# Altium PCB TwoFoot_PCB_m4T1Top2.PcbDoc (part 9 of 9)
Units mil, origin at the board's own origin, x right, y up, seen from the top; angles counter-clockwise.
Board outline 2525.58 x 2682.53 mil, 2 copper layers (Top Layer, Bottom Layer); 83 components, 113 nets, 349 pads, 87 vias.
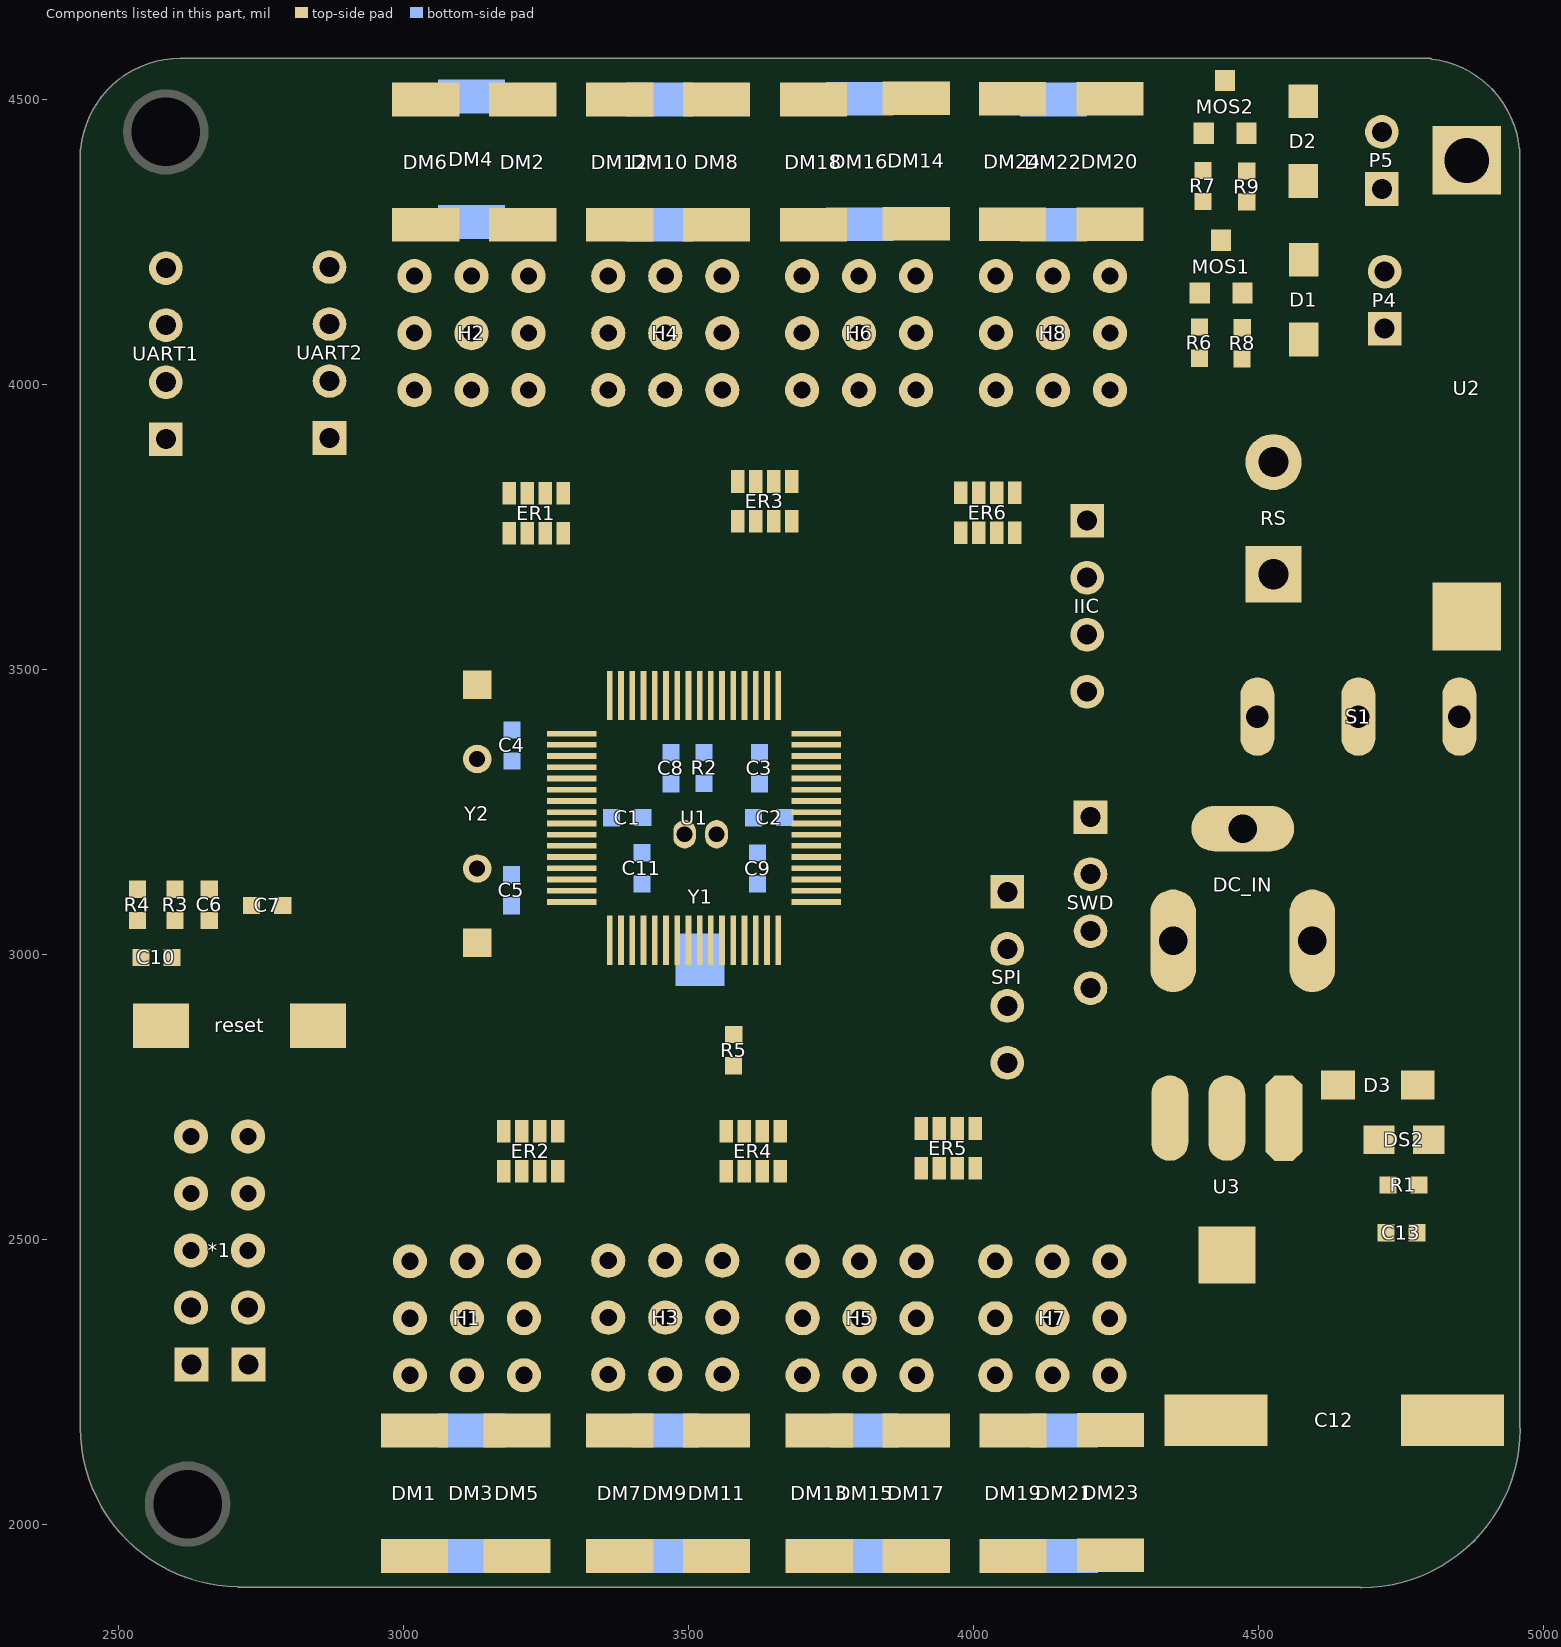
[diagram p9: the components of this part, seen from the top]

## Via types
v1: diameter 24, hole 12, Top Layer to Bottom Layer, 65 vias
v2: diameter 30, hole 20, Top Layer to Bottom Layer, 8 vias
v3: diameter 20, hole 15, Top Layer to Bottom Layer, 8 vias
v4: diameter 32, hole 15, Top Layer to Bottom Layer, 3 vias
v5: diameter 60, hole 45, Top Layer to Bottom Layer, 1 vias
v6: diameter 50, hole 35, Top Layer to Bottom Layer, 1 vias
v7: diameter 30, hole 15, Top Layer to Bottom Layer, 1 vias

## Nets (pads, with @x,y where several pads share a name; then routed paths per layer and width w, separated by ;. In a path a pad name is that pad's centre, name@x,y a point inside that pad or via, vN(x,y) a via of type N, cw(c..) or ccw(c..) an arc to the next point about the centre after c; other vN are vias at no path point) (continued)
copper on no net: (continued)
  Bottom Layer w1: 2932.6,3436.4 2958.6,3436.4 ; 2932.6,3437.4 2959.6,3437.4 ; 2932.6,3438.4 3012.6,3438.4 ; 2932.6,3439.4 3013.6,3439.4 ; 2932.6,3440.4 3013.6,3440.4 ; 2932.6,3441.4 3013.6,3441.4 ; 2932.6,3442.4 3013.6,3442.4 ; 2932.6,3443.4 3013.6,3443.4 ; 2932.6,3444.4 3013.6,3444.4 ; 2932.6,3445.4 3013.6,3445.4 ; 2932.6,3446.4 3013.6,3446.4 ; 2932.6,3447.4 3013.6,3447.4 ; 2932.6,3448.4 3013.6,3448.4 ; 2932.6,3449.4 3013.6,3449.4 ; 2932.6,3450.4 3013.6,3450.4 ; 2932.6,3451.4 3013.6,3451.4 ; 2932.6,3452.4 3013.6,3452.4 ; 2932.6,3453.4 3013.6,3453.4 ; 2932.6,3454.4 3013.6,3454.4 ; 2932.6,3455.4 3013.6,3455.4 ; 2932.6,3456.4 3013.6,3456.4 ; 2932.6,3457.4 3013.6,3457.4 ; 2932.6,3458.4 3013.6,3458.4 ; 2932.6,3459.4 3013.6,3459.4 ; 2932.6,3460.4 3013.6,3460.4 ; 2932.6,3461.4 3013.6,3461.4 ; 2932.6,3462.4 3013.6,3462.4 ; 2932.6,3463.4 3013.6,3463.4 ; 2932.6,3464.4 3013.6,3464.4 ; 2932.6,3465.4 3013.6,3465.4 ; 2932.6,3466.4 3013.6,3466.4 ; 2932.6,3467.4 3013.6,3467.4 ; 2932.6,3468.4 3013.6,3468.4 ; 2932.6,3469.4 3013.6,3469.4 ; 2932.6,3470.4 3013.6,3470.4 ; 2932.6,3471.4 3013.6,3471.4 ; 2932.6,3472.4 3013.6,3472.4 ; 2932.6,3473.4 3013.6,3473.4 ; 2932.6,3474.4 3013.6,3474.4 ; 2932.6,3475.4 3013.6,3475.4 ; 2932.6,3476.4 3013.6,3476.4 ; 2932.6,3477.4 3013.6,3477.4 ; 2932.6,3478.4 3013.6,3478.4 ; 2932.6,3479.4 3013.6,3479.4 ; 2932.6,3480.4 3013.6,3480.4 ; 2932.6,3481.4 3013.6,3481.4 ; 2932.6,3482.4 3013.6,3482.4 ; 2932.6,3483.4 3013.6,3483.4 ; 2932.6,3484.4 2998.6,3484.4 ; 2932.6,3485.4 2997.6,3485.4 ; 2932.6,3486.4 2997.6,3486.4 ; 2932.6,3487.4 2996.6,3487.4 ; 2932.6,3488.4 2995.6,3488.4 ; 2932.6,3489.4 2993.6,3489.4 ; 2932.6,3490.4 2992.6,3490.4 ; 2932.6,3491.4 2991.6,3491.4 ; 2932.6,3492.4 2990.6,3492.4 ; 2932.6,3493.4 2990.6,3493.4 ; 2932.6,3494.4 2989.6,3494.4 ; 2932.6,3495.4 2987.6,3495.4 ; 2932.6,3496.4 2986.6,3496.4 ; 2932.6,3497.4 2986.6,3497.4 ; 2932.6,3498.4 2985.6,3498.4 ; 2932.6,3499.4 2984.6,3499.4 ; 2932.6,3500.4 2984.6,3500.4 ; 2932.6,3501.4 2983.6,3501.4 ; 2932.6,3502.4 2982.6,3502.4 ; 2932.6,3503.4 2980.6,3503.4 ; 2932.6,3504.4 2979.6,3504.4 ; 2932.6,3505.4 2978.6,3505.4 ; 2932.6,3506.4 2978.6,3506.4 ; 2932.6,3507.4 2945.6,3507.4 ; 2932.6,3508.4 2941.6,3508.4 ; 2932.6,3509.4 2939.6,3509.4 ; 2932.6,3510.4 2938.6,3510.4 ; 2932.6,3511.4 2937.6,3511.4 ; 2932.6,3512.4 2936.6,3512.4 ; 2932.6,3513.4 2936.6,3513.4 ; 2932.6,3514.4 2936.6,3514.4 ; 2932.6,3515.4 2934.6,3515.4 ; 2932.6,3516.4 2934.6,3516.4 ; 2932.6,3517.4 2934.6,3517.4 ; 2932.6,3518.4 2933.6,3518.4 ; 2932.6,3519.4 2933.6,3519.4 ; 2932.6,3520.4 2933.6,3520.4 ; 2932.6,3521.4 2934.6,3521.4 ; 2932.6,3522.4 2934.6,3522.4 ; 2932.6,3523.4 2934.6,3523.4 ; 2932.6,3524.4 2934.6,3524.4 ; 2932.6,3525.4 2934.6,3525.4 ; 2932.6,3526.4 2936.6,3526.4 ; 2932.6,3527.4 2936.6,3527.4 ; 2932.6,3528.4 2937.6,3528.4 ; 2932.6,3529.4 2937.6,3529.4 ; 2932.6,3530.4 2938.6,3530.4 ; 2932.6,3531.4 2939.6,3531.4 ; 2932.6,3532.4 2941.6,3532.4 ; 2932.6,3533.4 2946.6,3533.4 ; 2932.6,3534.4 3013.6,3534.4 ; 2932.6,3535.4 3013.6,3535.4 ; 2932.6,3536.4 3013.6,3536.4 ; 2932.6,3537.4 3013.6,3537.4 ; 2932.6,3538.4 3013.6,3538.4 ; 2932.6,3539.4 3013.6,3539.4 ; 2932.6,3540.4 3013.6,3540.4 ; 2932.6,3541.4 3013.6,3541.4 ; 2932.6,3542.4 3013.6,3542.4 ; 2932.6,3543.4 3013.6,3543.4 ; 2932.6,3544.4 3013.6,3544.4 ; 2932.6,3545.4 3013.6,3545.4 ; 2932.6,3546.4 3013.6,3546.4 ; 2932.6,3547.4 3013.6,3547.4 ; 2932.6,3548.4 3013.6,3548.4 ; 2932.6,3549.4 3013.6,3549.4 ; 2932.6,3550.4 3013.6,3550.4 ; 2932.6,3551.4 3013.6,3551.4 ; 2932.6,3552.4 3013.6,3552.4 ; 2932.6,3553.4 3013.6,3553.4 ; 2932.6,3554.4 3013.6,3554.4 ; 2932.6,3555.4 3013.6,3555.4 ; 2932.6,3556.4 3013.6,3556.4 ; 2933.6,3403.4 3013.6,3403.4 ; 2933.6,3412.4 2936.6,3412.4 ; 2933.6,3413.4 2937.6,3413.4 ; 2933.6,3414.4 2938.6,3414.4 ; 2933.6,3415.4 2939.6,3415.4 ; 2933.6,3416.4 2939.6,3416.4 ; 2933.6,3417.4 2940.6,3417.4 ; 2933.6,3418.4 2941.6,3418.4 ; 2933.6,3419.4 2943.6,3419.4 ; 2933.6,3420.4 2944.6,3420.4 ; 2935.6,3404.4 3013.6,3404.4 ; 2936.6,3405.4 3013.6,3405.4 ; 2936.6,3613.4 3013.6,3613.4 ; 2937.6,3406.4 3013.6,3406.4 ; 2937.6,3407.4 3013.6,3407.4 ; 2937.6,3612.4 3013.6,3612.4 ; 2939.6,3408.4 3013.6,3408.4 ; 2939.6,3611.4 3013.6,3611.4 ; 2940.6,3409.4 3013.6,3409.4 ; 2940.6,3610.4 3013.6,3610.4 ; 2941.6,3410.4 3013.6,3410.4 ; 2941.6,3609.4 3013.6,3609.4 ; 2942.6,3411.4 3013.6,3411.4 ; 2942.6,3607.4 3013.6,3607.4 ; 2942.6,3608.4 3013.6,3608.4 ; 2943.6,3412.4 3013.6,3412.4 ; 2943.6,3413.4 3013.6,3413.4 ; 2943.6,3414.4 3013.6,3414.4 ; 2943.6,3519.4 2950.6,3519.4 ; 2943.6,3520.4 2950.6,3520.4 ; 2943.6,3521.4 2950.6,3521.4 ; 2943.6,3606.4 3013.6,3606.4 ; 2944.6,3518.4 2950.6,3518.4 ; 2944.6,3522.4 2950.6,3522.4 ; 2944.6,3605.4 3013.6,3605.4 ; 2946.6,3415.4 3013.6,3415.4 ; 2946.6,3517.4 2947.6,3517.4 ; 2946.6,3604.4 3013.6,3604.4 ; 2947.6,3416.4 3013.6,3416.4 ; 2947.6,3417.4 3013.6,3417.4 ; 2947.6,3507.4 2977.6,3507.4 ; 2947.6,3603.4 3013.6,3603.4 ; 2948.6,3533.4 3013.6,3533.4 ; 2948.6,3601.4 3013.6,3601.4 ; 2948.6,3602.4 3013.6,3602.4 ; 2949.6,3418.4 3013.6,3418.4 ; 2949.6,3419.4 3013.6,3419.4 ; 2949.6,3420.4 3013.6,3420.4 ; 2949.6,3600.4 3013.6,3600.4 ; 2950.6,3421.4 3013.6,3421.4 ; 2950.6,3599.4 3013.6,3599.4 ; 2952.6,3422.4 3013.6,3422.4 ; 2952.6,3532.4 3013.6,3532.4 ; 2952.6,3598.4 3013.6,3598.4 ; 2953.6,3423.4 3013.6,3423.4 ; 2953.6,3508.4 2976.6,3508.4 ; 2953.6,3597.4 3013.6,3597.4 ; 2954.6,3509.4 2974.6,3509.4 ; 2954.6,3531.4 3013.6,3531.4 ; 2954.6,3596.4 3013.6,3596.4 ; 2955.6,3424.4 3013.6,3424.4 ; 2955.6,3425.4 3013.6,3425.4 ; 2955.6,3530.4 3013.6,3530.4 ; 2955.6,3594.4 3013.6,3594.4 ; 2955.6,3595.4 3013.6,3595.4 ; 2956.6,3426.4 3013.6,3426.4 ; 2956.6,3427.4 3013.6,3427.4 ; 2956.6,3510.4 2973.6,3510.4 ; 2956.6,3511.4 2972.6,3511.4 ; 2956.6,3528.4 3013.6,3528.4 ; 2956.6,3529.4 3013.6,3529.4 ; 2956.6,3593.4 3013.6,3593.4 ; 2957.6,3428.4 3013.6,3428.4 ; 2957.6,3512.4 2971.6,3512.4 ; 2957.6,3513.4 2971.6,3513.4 ; 2957.6,3527.4 3013.6,3527.4 ; 2957.6,3592.4 3013.6,3592.4 ; 2959.6,3429.4 3013.6,3429.4 ; 2959.6,3514.4 2970.6,3514.4 ; 2959.6,3515.4 2969.6,3515.4 ; 2959.6,3525.4 3013.6,3525.4 ; 2959.6,3526.4 3013.6,3526.4 ; 2959.6,3591.4 3013.6,3591.4 ; 2960.6,3430.4 3012.6,3430.4 ; 2960.6,3516.4 2967.6,3516.4 ; 2960.6,3524.4 3013.6,3524.4 ; 2960.6,3590.4 3013.6,3590.4 ; 2961.6,3589.4 3013.6,3589.4 ; 2962.6,3587.4 3013.6,3587.4 ; 2962.6,3588.4 3013.6,3588.4 ; 2963.6,3586.4 3013.6,3586.4 ; 2965.6,3585.4 3013.6,3585.4 ; 2966.6,3584.4 3013.6,3584.4 ; 2967.6,3523.4 3013.6,3523.4 ; 2967.6,3583.4 3013.6,3583.4 ; 2968.6,3521.4 3013.6,3521.4 ; 2968.6,3522.4 3013.6,3522.4 ; 2968.6,3581.4 3013.6,3581.4 ; 2968.6,3582.4 3013.6,3582.4 ; 2969.6,3520.4 3013.6,3520.4 ; 2969.6,3580.4 3013.6,3580.4 ; 2970.6,3519.4 3013.6,3519.4 ; 2970.6,3578.4 3013.6,3578.4 ; 2970.6,3579.4 3013.6,3579.4 ; 2972.6,3518.4 3013.6,3518.4 ; 2973.6,3517.4 3013.6,3517.4 ; 2973.6,3577.4 3013.6,3577.4 ; 2974.6,3515.4 3013.6,3515.4 ; 2974.6,3516.4 3013.6,3516.4 ; 2974.6,3574.4 3013.6,3574.4 ; 2974.6,3575.4 3013.6,3575.4 ; 2974.6,3576.4 3013.6,3576.4 ; 2975.6,3514.4 3013.6,3514.4 ; 2975.6,3573.4 3013.6,3573.4 ; 2976.6,3513.4 3013.6,3513.4 ; 2978.6,3512.4 3013.6,3512.4 ; 2979.6,3511.4 3013.6,3511.4 ; 2980.6,3510.4 3013.6,3510.4 ; 2981.6,3508.4 3013.6,3508.4 ; 2981.6,3509.4 3013.6,3509.4 ; 2982.6,3507.4 3013.6,3507.4 ; 2983.6,3506.4 3013.6,3506.4 ; 2985.6,3505.4 3013.6,3505.4 ; 2986.6,3504.4 3013.6,3504.4 ; 2987.6,3503.4 3013.6,3503.4 ; 2988.6,3501.4 3013.6,3501.4 ; 2988.6,3502.4 3013.6,3502.4 ; 2989.6,3500.4 3013.6,3500.4 ; 2990.6,3499.4 3013.6,3499.4 ; 2992.6,3498.4 3013.6,3498.4 ; 2993.6,3497.4 3013.6,3497.4 ; 2994.6,3495.4 3013.6,3495.4 ; 2994.6,3496.4 3013.6,3496.4 ; 2995.6,3493.4 3013.6,3493.4 ; 2995.6,3494.4 3013.6,3494.4 ; 2998.6,3492.4 3013.6,3492.4 ; 2999.6,3491.4 3013.6,3491.4 ; 3005.6,3325.4 3006.6,3325.4 ; 3009.6,3325.4 3011.6,3325.4
  Bottom Layer w1.2: 2702.6,4430.6 2731.4,4430.6 2702.6,4430.6 ; 2702.6,4431.8 2732.6,4431.8 2702.6,4431.8 ; 2702.6,4433 2735,4433 2702.6,4433 ; 2702.6,4434.2 2738.6,4434.2 2702.6,4434.2 ; 2703.8,4427 2726.6,4427 2703.8,4427 ; 2703.8,4428.2 2729,4428.2 2703.8,4428.2 ; 2703.8,4429.4 2730.2,4429.4 2703.8,4429.4 ; 2703.8,4435.4 2744.6,4435.4 2703.8,4435.4 ; 2703.8,4436.6 2747,4436.6 2703.8,4436.6 ; 2705,4424.6 2725.4,4424.6 2705,4424.6 ; 2705,4425.8 2725.4,4425.8 2705,4425.8 ; 2705,4437.8 2749.4,4437.8 2705,4437.8 ; 2705,4439 2751.8,4439 2705,4439 ; 2706.2,4421 2725.4,4421 2706.2,4421 ; 2706.2,4422.2 2725.4,4422.2 2706.2,4422.2 ; 2706.2,4423.4 2725.4,4423.4 2706.2,4423.4 ; 2706.2,4440.2 2754.2,4440.2 2706.2,4440.2 ; 2707.4,4417.4 2724.2,4417.4 2707.4,4417.4 ; 2707.4,4418.6 2724.2,4418.6 2707.4,4418.6 ; 2707.4,4419.8 2725.4,4419.8 2707.4,4419.8 ; 2707.4,4441.4 2772.2,4441.4 2707.4,4441.4 ; 2707.4,4442.6 2773.4,4442.6 2707.4,4442.6 ; 2708.6,4392.2 2733.8,4392.2 2708.6,4392.2 ; 2708.6,4393.4 2735,4393.4 2708.6,4393.4 ; 2708.6,4394.6 2726.6,4394.6 2708.6,4394.6 ; 2708.6,4395.8 2725.4,4395.8 2708.6,4395.8 ; 2708.6,4397 2725.4,4397 2708.6,4397 ; 2708.6,4398.2 2725.4,4398.2 2708.6,4398.2 ; 2708.6,4399.4 2725.4,4399.4 2708.6,4399.4 ; 2708.6,4400.6 2724.2,4400.6 2708.6,4400.6 ; 2708.6,4401.8 2724.2,4401.8 2708.6,4401.8 ; 2708.6,4403 2724.2,4403 2708.6,4403 ; 2708.6,4404.2 2724.2,4404.2 2708.6,4404.2 ; 2708.6,4405.4 2724.2,4405.4 2708.6,4405.4 ; 2708.6,4406.6 2724.2,4406.6 2708.6,4406.6 ; 2708.6,4407.8 2724.2,4407.8 2708.6,4407.8 ; 2708.6,4409 2724.2,4409 2708.6,4409 ; 2708.6,4410.2 2724.2,4410.2 2708.6,4410.2 ; 2708.6,4411.4 2724.2,4411.4 2708.6,4411.4 ; 2708.6,4412.6 2724.2,4412.6 2708.6,4412.6 ; 2708.6,4413.8 2724.2,4413.8 2708.6,4413.8 ; 2708.6,4415 2724.2,4415 2708.6,4415 ; 2708.6,4416.2 2724.2,4416.2 2708.6,4416.2 ; 2708.6,4443.8 2798.6,4443.8 2708.6,4443.8 ; 2708.6,4445 2798.6,4445 2708.6,4445 ; 2708.6,4446.2 2798.6,4446.2 2708.6,4446.2 ; 2708.6,4447.4 2799.8,4447.4 2708.6,4447.4 ; 2708.6,4448.6 2799.8,4448.6 2708.6,4448.6 ; 2709.8,4381.4 2726.6,4381.4 2709.8,4381.4 ; 2709.8,4382.6 2727.8,4382.6 2709.8,4382.6 ; 2709.8,4383.8 2729,4383.8 2709.8,4383.8 ; 2709.8,4385 2729,4385 2709.8,4385 ; 2709.8,4386.2 2730.2,4386.2 2709.8,4386.2 ; 2709.8,4387.4 2731.4,4387.4 2709.8,4387.4 ; 2709.8,4388.6 2732.6,4388.6 2709.8,4388.6 ; 2709.8,4389.8 2732.6,4389.8 2709.8,4389.8 ; 2709.8,4391 2733.8,4391 2709.8,4391 ; 2709.8,4449.8 2727.8,4449.8 2709.8,4449.8 ; 2709.8,4451 2726.6,4451 2709.8,4451 ; 2709.8,4452.2 2726.6,4452.2 2709.8,4452.2 ; 2709.8,4453.4 2726.6,4453.4 2709.8,4453.4 ; 2711,4376.6 2723,4376.6 2711,4376.6 ; 2711,4377.8 2724.2,4377.8 2711,4377.8 ; 2711,4379 2725.4,4379 2711,4379 ; 2711,4380.2 2726.6,4380.2 2711,4380.2 ; 2711,4454.6 2726.6,4454.6 2711,4454.6 ; 2711,4455.8 2726.6,4455.8 2711,4455.8 ; 2711,4457 2726.6,4457 2711,4457 ; 2711,4458.2 2727.8,4458.2 2711,4458.2 ; 2711,4459.4 2727.8,4459.4 2711,4459.4 ; 2711,4460.6 2727.8,4460.6 2711,4460.6 ; 2712.2,4374.2 2719.4,4374.2 2712.2,4374.2 ; 2712.2,4375.4 2721.8,4375.4 2712.2,4375.4 ; 2712.2,4461.8 2727.8,4461.8 2712.2,4461.8 ; 2712.2,4463 2729,4463 2712.2,4463 ; 2712.2,4464.2 2729,4464.2 2712.2,4464.2 ; 2712.2,4465.4 2729,4465.4 2712.2,4465.4 ; 2712.2,4466.6 2729,4466.6 2712.2,4466.6 ; 2712.2,4467.8 2729,4467.8 2712.2,4467.8 ; 2712.2,4469 2730.2,4469 2712.2,4469 ; 2712.2,4470.2 2730.2,4470.2 2712.2,4470.2 ; 2712.2,4471.4 2730.2,4471.4 2712.2,4471.4 ; 2712.2,4472.6 2730.2,4472.6 2712.2,4472.6 ; 2712.2,4473.8 2730.2,4473.8 2712.2,4473.8 ; 2712.2,4475 2730.2,4475 2712.2,4475 ; 2712.2,4476.2 2731.4,4476.2 2712.2,4476.2 ; 2713.4,4477.4 2731.4,4477.4 2713.4,4477.4 ; 2713.4,4478.6 2731.4,4478.6 2713.4,4478.6 ; 2713.4,4479.8 2731.4,4479.8 2713.4,4479.8 ; 2713.4,4481 2731.4,4481 2713.4,4481 ; 2713.4,4482.2 2731.4,4482.2 2713.4,4482.2 ; 2713.4,4483.4 2731.4,4483.4 2713.4,4483.4 ; 2713.4,4484.6 2732.6,4484.6 2713.4,4484.6 ; 2714.6,4485.8 2732.6,4485.8 2714.6,4485.8 ; 2714.6,4487 2732.6,4487 2714.6,4487 ; 2714.6,4488.2 2732.6,4488.2 2714.6,4488.2 ; 2714.6,4489.4 2732.6,4489.4 2714.6,4489.4 ; 2714.6,4490.6 2732.6,4490.6 2714.6,4490.6 ; 2715.8,4491.8 2732.6,4491.8 2715.8,4491.8 ; 2715.8,4493 2733.8,4493 2715.8,4493 ; 2715.8,4494.2 2733.8,4494.2 2715.8,4494.2 ; 2715.8,4495.4 2733.8,4495.4 2715.8,4495.4 ; 2715.8,4500.2 2733.8,4500.2 2715.8,4500.2 ; 2715.8,4501.4 2735,4501.4 2715.8,4501.4 ; 2715.8,4502.6 2735,4502.6 2715.8,4502.6 ; 2715.8,4503.8 2735,4503.8 2715.8,4503.8 ; 2715.8,4505 2735,4505 2715.8,4505 ; 2717,4496.6 2733.8,4496.6 2717,4496.6 ; 2717,4497.8 2733.8,4497.8 2717,4497.8 ; 2717,4499 2733.8,4499 2717,4499 ; 2717,4506.2 2736.2,4506.2 2717,4506.2 ; 2717,4507.4 2736.2,4507.4 2717,4507.4 ; 2717,4508.6 2736.2,4508.6 2717,4508.6 ; 2717,4509.8 2736.2,4509.8 2717,4509.8 ; 2717,4511 2737.4,4511 2717,4511 ; 2717,4512.2 2737.4,4512.2 2717,4512.2 ; 2717,4513.4 2737.4,4513.4 2717,4513.4 ; 2717,4514.6 2737.4,4514.6 2717,4514.6 ; 2717,4515.8 2737.4,4515.8 2717,4515.8 ; 2718.2,4517 2737.4,4517 2718.2,4517 ; 2719.4,4518.2 2737.4,4518.2 2719.4,4518.2 ; 2720.6,4519.4 2737.4,4519.4 2720.6,4519.4 ; 2721.8,4520.6 2737.4,4520.6 2721.8,4520.6 ; 2724.2,4521.8 2736.2,4521.8 2724.2,4521.8 ; 2726.6,4523 2735,4523 2726.6,4523 ; 2730.2,4394.6 2735,4394.6 2730.2,4394.6 ; 2731.4,4395.8 2736.2,4395.8 2731.4,4395.8 ; 2732.6,4397 2736.2,4397 2732.6,4397 ; 2733.8,4398.2 2736.2,4398.2 2733.8,4398.2 ; 2737.4,4449.8 2799.8,4449.8 2737.4,4449.8 ; 2738.6,4451 2799.8,4451 2738.6,4451 ; 2751.8,4452.2 2766.2,4452.2 2751.8,4452.2 ; 2760.2,4440.2 2769.8,4440.2 2760.2,4440.2 ; 2768.6,4367 2779.4,4367 2768.6,4367 ; 2768.6,4368.2 2780.6,4368.2 2768.6,4368.2 ; 2768.6,4369.4 2780.6,4369.4 2768.6,4369.4 ; 2769.8,4358.6 2774.6,4358.6 2769.8,4358.6 ; 2769.8,4359.8 2775.8,4359.8 2769.8,4359.8 ; 2769.8,4361 2777,4361 2769.8,4361 ; 2769.8,4362.2 2778.2,4362.2 2769.8,4362.2 ; 2769.8,4363.4 2778.2,4363.4 2769.8,4363.4 ; 2769.8,4364.6 2779.4,4364.6 2769.8,4364.6 ; 2769.8,4365.8 2779.4,4365.8 2769.8,4365.8 ; 2769.8,4370.6 2780.6,4370.6 2769.8,4370.6 ; 2769.8,4371.8 2780.6,4371.8 2769.8,4371.8 ; 2769.8,4373 2781.8,4373 2769.8,4373 ; 2769.8,4379 2783,4379 2769.8,4379 ; 2769.8,4380.2 2783,4380.2 2769.8,4380.2 ; 2771,4374.2 2781.8,4374.2 2771,4374.2 ; 2771,4375.4 2781.8,4375.4 2771,4375.4 ; 2771,4376.6 2781.8,4376.6 2771,4376.6 ; 2771,4377.8 2783,4377.8 2771,4377.8 ; 2771,4381.4 2784.2,4381.4 2771,4381.4 ; 2771,4382.6 2784.2,4382.6 2771,4382.6 ; 2771,4383.8 2784.2,4383.8 2771,4383.8 ; 2771,4385 2784.2,4385 2771,4385 ; 2771,4386.2 2785.4,4386.2 2771,4386.2 ; 2771,4387.4 2785.4,4387.4 2771,4387.4 ; 2771,4388.6 2785.4,4388.6 2771,4388.6 ; 2772.2,4389.8 2785.4,4389.8 2772.2,4389.8 ; 2772.2,4391 2785.4,4391 2772.2,4391 ; 2772.2,4392.2 2786.6,4392.2 2772.2,4392.2 ; 2772.2,4393.4 2786.6,4393.4 2772.2,4393.4 ; 2772.2,4394.6 2786.6,4394.6 2772.2,4394.6 ; 2772.2,4395.8 2786.6,4395.8 2772.2,4395.8 ; 2773.4,4397 2786.6,4397 2773.4,4397 ; 2773.4,4398.2 2787.8,4398.2 2773.4,4398.2 ; 2773.4,4399.4 2787.8,4399.4 2773.4,4399.4 ; 2773.4,4400.6 2787.8,4400.6 2773.4,4400.6 ; 2773.4,4401.8 2787.8,4401.8 2773.4,4401.8 ; 2773.4,4403 2789,4403 2773.4,4403 ; 2773.4,4404.2 2789,4404.2 2773.4,4404.2 ; 2773.4,4405.4 2789,4405.4 2773.4,4405.4 ; 2774.6,4406.6 2789,4406.6 2774.6,4406.6 ; 2774.6,4407.8 2790.2,4407.8 2774.6,4407.8 ; 2774.6,4409 2790.2,4409 2774.6,4409 ; 2774.6,4410.2 2790.2,4410.2 2774.6,4410.2 ; 2774.6,4411.4 2790.2,4411.4 2774.6,4411.4 ; 2774.6,4442.6 2798.6,4442.6 2774.6,4442.6 ; 2774.6,4452.2 2799.8,4452.2 2774.6,4452.2 ; 2775.8,4412.6 2790.2,4412.6 2775.8,4412.6 ; 2775.8,4413.8 2791.4,4413.8 2775.8,4413.8 ; 2775.8,4415 2791.4,4415 2775.8,4415 ; 2775.8,4416.2 2791.4,4416.2 2775.8,4416.2 ; 2775.8,4417.4 2792.6,4417.4 2775.8,4417.4 ; 2777,4418.6 2792.6,4418.6 2777,4418.6 ; 2777,4419.8 2793.8,4419.8 2777,4419.8 ; 2777,4421 2793.8,4421 2777,4421 ; 2777,4422.2 2793.8,4422.2 2777,4422.2 ; 2777,4423.4 2795,4423.4 2777,4423.4 ; 2778.2,4424.6 2795,4424.6 2778.2,4424.6 ; 2778.2,4425.8 2795,4425.8 2778.2,4425.8 ; 2778.2,4427 2795,4427 2778.2,4427 ; 2778.2,4428.2 2796.2,4428.2 2778.2,4428.2 ; 2778.2,4429.4 2796.2,4429.4 2778.2,4429.4 ; 2778.2,4453.4 2799.8,4453.4 2778.2,4453.4 ; 2779.4,4430.6 2796.2,4430.6 2779.4,4430.6 ; 2779.4,4431.8 2796.2,4431.8 2779.4,4431.8 ; 2779.4,4433 2797.4,4433 2779.4,4433 ; 2779.4,4434.2 2797.4,4434.2 2779.4,4434.2 ; 2779.4,4435.4 2797.4,4435.4 2779.4,4435.4 ; 2780.6,4436.6 2797.4,4436.6 2780.6,4436.6 ; 2780.6,4437.8 2797.4,4437.8 2780.6,4437.8 ; 2780.6,4439 2798.6,4439 2780.6,4439 ; 2780.6,4440.2 2798.6,4440.2 2780.6,4440.2 ; 2780.6,4441.4 2798.6,4441.4 2780.6,4441.4 ; 2783,4454.6 2801,4454.6 2783,4454.6 ; 2783,4455.8 2801,4455.8 2783,4455.8 ; 2784.2,4457 2801,4457 2784.2,4457 ; 2784.2,4458.2 2802.2,4458.2 2784.2,4458.2 ; 2784.2,4459.4 2802.2,4459.4 2784.2,4459.4 ; 2784.2,4460.6 2802.2,4460.6 2784.2,4460.6 ; 2785.4,4461.8 2802.2,4461.8 2785.4,4461.8 ; 2785.4,4463 2802.2,4463 2785.4,4463 ; 2786.6,4464.2 2802.2,4464.2 2786.6,4464.2 ; 2786.6,4465.4 2803.4,4465.4 2786.6,4465.4 ; 2786.6,4466.6 2803.4,4466.6 2786.6,4466.6 ; 2786.6,4467.8 2803.4,4467.8 2786.6,4467.8 ; 2786.6,4469 2803.4,4469 2786.6,4469 ; 2786.6,4470.2 2803.4,4470.2 2786.6,4470.2 ; 2786.6,4471.4 2803.4,4471.4 2786.6,4471.4 ; 2786.6,4472.6 2804.6,4472.6 2786.6,4472.6 ; 2786.6,4473.8 2804.6,4473.8 2786.6,4473.8 ; 2787.8,4475 2804.6,4475 2787.8,4475 ; 2787.8,4476.2 2804.6,4476.2 2787.8,4476.2 ; 2787.8,4477.4 2805.8,4477.4 2787.8,4477.4 ; 2787.8,4478.6 2805.8,4478.6 2787.8,4478.6 ; 2787.8,4479.8 2807,4479.8 2787.8,4479.8 ; 2787.8,4503.8 2808.2,4503.8 2787.8,4503.8 ; 2787.8,4505 2808.2,4505 2787.8,4505 ; 2787.8,4506.2 2808.2,4506.2 2787.8,4506.2 ; 2789,4481 2807,4481 2789,4481 ; 2789,4482.2 2807,4482.2 2789,4482.2 ; 2789,4483.4 2807,4483.4 2789,4483.4 ; 2789,4484.6 2808.2,4484.6 2789,4484.6 ; 2789,4485.8 2808.2,4485.8 2789,4485.8 ; 2789,4487 2807,4487 2789,4487 ; 2789,4488.2 2807,4488.2 2789,4488.2 ; 2789,4507.4 2808.2,4507.4 2789,4507.4 ; 2790.2,4489.4 2807,4489.4 2790.2,4489.4 ; 2790.2,4490.6 2807,4490.6 2790.2,4490.6 ; 2790.2,4491.8 2805.8,4491.8 2790.2,4491.8 ; 2790.2,4493 2805.8,4493 2790.2,4493 ; 2790.2,4494.2 2807,4494.2 2790.2,4494.2 ; 2790.2,4495.4 2807,4495.4 2790.2,4495.4 ; 2790.2,4496.6 2807,4496.6 2790.2,4496.6 ; 2790.2,4497.8 2807,4497.8 2790.2,4497.8 ; 2790.2,4499 2807,4499 2790.2,4499 ; 2790.2,4500.2 2808.2,4500.2 2790.2,4500.2 ; 2790.2,4501.4 2808.2,4501.4 2790.2,4501.4 ; 2790.2,4502.6 2808.2,4502.6 2790.2,4502.6 ; 2790.2,4508.6 2809.4,4508.6 2790.2,4508.6 ; 2790.2,4509.8 2809.4,4509.8 2790.2,4509.8 ; 2791.4,4511 2809.4,4511 2791.4,4511 ; 2792.6,4512.2 2809.4,4512.2 2792.6,4512.2 ; 2792.6,4513.4 2809.4,4513.4 2792.6,4513.4 ; 2793.8,4514.6 2809.4,4514.6 2793.8,4514.6 ; 2793.8,4515.8 2809.4,4515.8 2793.8,4515.8 ; 2795,4517 2809.4,4517 2795,4517 ; 2796.2,4518.2 2809.4,4518.2 2796.2,4518.2 ; 2797.4,4519.4 2809.4,4519.4 2797.4,4519.4 ; 2799.8,4520.6 2809.4,4520.6 2799.8,4520.6 ; 2801,4521.8 2809.4,4521.8 2801,4521.8 ; 2802.2,4523 2809.4,4523 2802.2,4523 ; 2803.4,4524.2 2808.2,4524.2 2803.4,4524.2 ; 2805.8,4525.4 2807,4525.4 2805.8,4525.4 ; 2811.8,4400.6 2831,4400.6 2811.8,4400.6 ; 2811.8,4401.8 2831,4401.8 2811.8,4401.8 ; 2811.8,4403 2829.8,4403 2811.8,4403 ; 2811.8,4404.2 2829.8,4404.2 2811.8,4404.2 ; 2811.8,4405.4 2829.8,4405.4 2811.8,4405.4 ; 2811.8,4406.6 2828.6,4406.6 2811.8,4406.6 ; 2811.8,4407.8 2828.6,4407.8 2811.8,4407.8 ; 2811.8,4409 2828.6,4409 2811.8,4409 ; 2811.8,4410.2 2828.6,4410.2 2811.8,4410.2 ; 2811.8,4411.4 2827.4,4411.4 2811.8,4411.4 ; 2811.8,4412.6 2827.4,4412.6 2811.8,4412.6 ; 2811.8,4413.8 2827.4,4413.8 2811.8,4413.8 ; 2811.8,4415 2826.2,4415 2811.8,4415 ; 2811.8,4416.2 2826.2,4416.2 2811.8,4416.2 ; 2811.8,4417.4 2826.2,4417.4 2811.8,4417.4 ; 2811.8,4418.6 2826.2,4418.6 2811.8,4418.6 ; 2813,4395.8 2834.6,4395.8 2813,4395.8 ; 2813,4397 2833.4,4397 2813,4397 ; 2813,4398.2 2832.2,4398.2 2813,4398.2 ; 2813,4399.4 2832.2,4399.4 2813,4399.4 ; 2813,4419.8 2825,4419.8 2813,4419.8 ; 2813,4421 2825,4421 2813,4421 ; 2813,4422.2 2825,4422.2 2813,4422.2 ; 2813,4423.4 2823.8,4423.4 2813,4423.4 ; 2813,4424.6 2823.8,4424.6 2813,4424.6 ; 2813,4425.8 2823.8,4425.8 2813,4425.8 ; 2814.2,4392.2 2837,4392.2 2814.2,4392.2 ; 2814.2,4393.4 2835.8,4393.4 2814.2,4393.4 ; 2814.2,4394.6 2834.6,4394.6 2814.2,4394.6 ; 2814.2,4427 2823.8,4427 2814.2,4427 ; 2814.2,4428.2 2823.8,4428.2 2814.2,4428.2 ; 2814.2,4429.4 2823.8,4429.4 2814.2,4429.4 ; 2814.2,4430.6 2823.8,4430.6 2814.2,4430.6 ; 2814.2,4431.8 2823.8,4431.8 2814.2,4431.8 ; 2814.2,4433 2823.8,4433 2814.2,4433 ; 2815.4,4389.8 2841.8,4389.8 2815.4,4389.8 ; 2815.4,4391 2839.4,4391 2815.4,4391 ; 2815.4,4434.2 2823.8,4434.2 2815.4,4434.2 ; 2815.4,4435.4 2823.8,4435.4 2815.4,4435.4 ; 2815.4,4436.6 2823.8,4436.6 2815.4,4436.6 ; 2816.6,4387.4 2883.8,4387.4 2816.6,4387.4 ; 2816.6,4388.6 2882.6,4388.6 2816.6,4388.6 ; 2816.6,4437.8 2823.8,4437.8 2816.6,4437.8 ; 2817.8,4386.2 2885,4386.2 2817.8,4386.2 ; 2817.8,4439 2823.8,4439 2817.8,4439 ; 2819,4383.8 2887.4,4383.8 2819,4383.8 ; 2819,4385 2886.2,4385 2819,4385 ; 2820.2,4382.6 2888.6,4382.6 2820.2,4382.6 ; 2822.6,4381.4 2889.8,4381.4 2822.6,4381.4 ; 2825,4380.2 2889.8,4380.2 2825,4380.2 ; 2826.2,4379 2891,4379 2826.2,4379 ; 2826.2,4442.6 2845.4,4442.6 2826.2,4442.6 ; 2826.2,4443.8 2845.4,4443.8 2826.2,4443.8 ; 2826.2,4445 2845.4,4445 2826.2,4445 ; 2826.2,4446.2 2845.4,4446.2 2826.2,4446.2 ; 2826.2,4447.4 2844.2,4447.4 2826.2,4447.4 ; 2826.2,4448.6 2844.2,4448.6 2826.2,4448.6 ; 2826.2,4449.8 2844.2,4449.8 2826.2,4449.8 ; 2826.2,4451 2844.2,4451 2826.2,4451 ; 2826.2,4452.2 2844.2,4452.2 2826.2,4452.2 ; 2826.2,4453.4 2844.2,4453.4 2826.2,4453.4 ; 2826.2,4454.6 2843,4454.6 2826.2,4454.6 ; 2826.2,4455.8 2843,4455.8 2826.2,4455.8 ; 2826.2,4457 2843,4457 2826.2,4457 ; 2826.2,4458.2 2843,4458.2 2826.2,4458.2 ; 2826.2,4459.4 2843,4459.4 2826.2,4459.4 ; 2826.2,4460.6 2843,4460.6 2826.2,4460.6 ; 2826.2,4461.8 2843,4461.8 2826.2,4461.8 ; 2826.2,4463 2843,4463 2826.2,4463 ; 2826.2,4464.2 2843,4464.2 2826.2,4464.2 ; 2826.2,4465.4 2843,4465.4 2826.2,4465.4 ; 2826.2,4466.6 2843,4466.6 2826.2,4466.6 ; 2827.4,4377.8 2859.8,4377.8 2827.4,4377.8 ; 2827.4,4434.2 2849,4434.2 2827.4,4434.2 ; 2827.4,4435.4 2849,4435.4 2827.4,4435.4 ; 2827.4,4436.6 2847.8,4436.6 2827.4,4436.6 ; 2827.4,4437.8 2847.8,4437.8 2827.4,4437.8 ; 2827.4,4439 2847.8,4439 2827.4,4439 ; 2827.4,4440.2 2846.6,4440.2 2827.4,4440.2 ; 2827.4,4441.4 2846.6,4441.4 2827.4,4441.4 ; 2827.4,4467.8 2843,4467.8 2827.4,4467.8 ; 2827.4,4469 2843,4469 2827.4,4469 ; 2827.4,4470.2 2843,4470.2 2827.4,4470.2 ; 2827.4,4471.4 2843,4471.4 2827.4,4471.4 ; 2827.4,4472.6 2843,4472.6 2827.4,4472.6 ; 2828.6,4376.6 2858.6,4376.6 2828.6,4376.6 ; 2828.6,4430.6 2850.2,4430.6 2828.6,4430.6 ; 2828.6,4431.8 2850.2,4431.8 2828.6,4431.8 ; 2828.6,4433 2850.2,4433 2828.6,4433 ; 2828.6,4473.8 2843,4473.8 2828.6,4473.8 ; 2828.6,4475 2843,4475 2828.6,4475 ; 2828.6,4476.2 2844.2,4476.2 2828.6,4476.2 ; 2828.6,4477.4 2844.2,4477.4 2828.6,4477.4 ; 2829.8,4375.4 2855,4375.4 2829.8,4375.4 ; 2829.8,4427 2851.4,4427 2829.8,4427 ; 2829.8,4428.2 2851.4,4428.2 2829.8,4428.2 ; 2829.8,4429.4 2850.2,4429.4 2829.8,4429.4 ; 2829.8,4478.6 2844.2,4478.6 2829.8,4478.6 ; 2829.8,4479.8 2845.4,4479.8 2829.8,4479.8 ; 2829.8,4481 2845.4,4481 2829.8,4481 ; 2831,4423.4 2853.8,4423.4 2831,4423.4 ; 2831,4424.6 2852.6,4424.6 2831,4424.6 ; 2831,4425.8 2851.4,4425.8 2831,4425.8 ; 2831,4482.2 2846.6,4482.2 2831,4482.2 ; 2831,4483.4 2846.6,4483.4 2831,4483.4 ; 2832.2,4421 2856.2,4421 2832.2,4421 ; 2832.2,4422.2 2855,4422.2 2832.2,4422.2 ; 2832.2,4484.6 2847.8,4484.6 2832.2,4484.6 ; 2832.2,4485.8 2847.8,4485.8 2832.2,4485.8 ; 2833.4,4418.6 2857.4,4418.6 2833.4,4418.6 ; 2833.4,4419.8 2856.2,4419.8 2833.4,4419.8 ; 2833.4,4487 2849,4487 2833.4,4487 ; 2833.4,4488.2 2850.2,4488.2 2833.4,4488.2 ; 2834.6,4374.2 2851.4,4374.2 2834.6,4374.2 ; 2834.6,4416.2 2858.6,4416.2 2834.6,4416.2 ; 2834.6,4417.4 2858.6,4417.4 2834.6,4417.4 ; 2834.6,4489.4 2850.2,4489.4 2834.6,4489.4 ; 2834.6,4490.6 2851.4,4490.6 2834.6,4490.6 ; 2835.8,4413.8 2859.8,4413.8 2835.8,4413.8 ; 2835.8,4415 2859.8,4415 2835.8,4415 ; 2835.8,4491.8 2852.6,4491.8 2835.8,4491.8 ; 2837,4411.4 2861,4411.4 2837,4411.4 ; 2837,4412.6 2861,4412.6 2837,4412.6 ; 2837,4493 2853.8,4493 2837,4493 ; 2837,4494.2 2855,4494.2 2837,4494.2 ; 2838.2,4373 2845.4,4373 2838.2,4373 ; 2838.2,4410.2 2862.2,4410.2 2838.2,4410.2 ; 2838.2,4495.4 2856.2,4495.4 2838.2,4495.4 ; 2839.4,4407.8 2864.6,4407.8 2839.4,4407.8 ; 2839.4,4409 2863.4,4409 2839.4,4409 ; 2839.4,4496.6 2857.4,4496.6 2839.4,4496.6 ; 2839.4,4497.8 2858.6,4497.8 2839.4,4497.8 ; 2840.6,4405.4 2865.8,4405.4 2840.6,4405.4 ; 2840.6,4406.6 2865.8,4406.6 2840.6,4406.6 ; 2840.6,4499 2859.8,4499 2840.6,4499 ; 2841.8,4403 2868.2,4403 2841.8,4403 ; 2841.8,4404.2 2867,4404.2 2841.8,4404.2 ; 2841.8,4500.2 2862.2,4500.2 2841.8,4500.2 ; 2843,4401.8 2869.4,4401.8 2843,4401.8 ; 2843,4501.4 2863.4,4501.4 2843,4501.4 ; 2844.2,4399.4 2887.4,4399.4 2844.2,4399.4 ; 2844.2,4400.6 2870.6,4400.6 2844.2,4400.6 ; 2844.2,4502.6 2865.8,4502.6 2844.2,4502.6 ; 2845.4,4398.2 2887.4,4398.2 2845.4,4398.2 ; 2845.4,4503.8 2868.2,4503.8 2845.4,4503.8 ; 2846.6,4397 2886.2,4397 2846.6,4397 ; 2846.6,4505 2873,4505 2846.6,4505 ; 2847.8,4395.8 2885,4395.8 2847.8,4395.8 ; 2847.8,4506.2 2918.6,4506.2 2847.8,4506.2 ; 2849,4389.8 2881.4,4389.8 2849,4389.8 ; 2849,4394.6 2885,4394.6 2849,4394.6 ; 2849,4507.4 2918.6,4507.4 2849,4507.4 ; 2850.2,4392.2 2882.6,4392.2 2850.2,4392.2 ; 2850.2,4393.4 2883.8,4393.4 2850.2,4393.4 ; 2850.2,4508.6 2917.4,4508.6 2850.2,4508.6 ; 2851.4,4391 2882.6,4391 2851.4,4391 ; 2851.4,4509.8 2917.4,4509.8 2851.4,4509.8 ; 2852.6,4511 2916.2,4511 2852.6,4511 ; 2855,4512.2 2915,4512.2 2855,4512.2 ; 2856.2,4513.4 2915,4513.4 2856.2,4513.4 ; 2857.4,4514.6 2913.8,4514.6 2857.4,4514.6 ; 2858.6,4515.8 2912.6,4515.8 2858.6,4515.8 ; 2861,4517 2911.4,4517 2861,4517 ; 2862.2,4518.2 2910.2,4518.2 2862.2,4518.2 ; 2863.4,4519.4 2909,4519.4 2863.4,4519.4 ; 2864.6,4377.8 2892.2,4377.8 2864.6,4377.8 ; 2865.8,4376.6 2893.4,4376.6 2865.8,4376.6 ; 2865.8,4520.6 2906.6,4520.6 2865.8,4520.6 ; 2867,4375.4 2895.8,4375.4 2867,4375.4 ; 2868.2,4374.2 2897,4374.2 2868.2,4374.2 ; 2868.2,4521.8 2905.4,4521.8 2868.2,4521.8 ; 2869.4,4373 2899.4,4373 2869.4,4373 ; 2870.6,4371.8 2900.6,4371.8 2870.6,4371.8 ; 2870.6,4523 2903,4523 2870.6,4523 ; 2871.8,4370.6 2901.8,4370.6 2871.8,4370.6 ; 2873,4524.2 2900.6,4524.2 2873,4524.2 ; 2874.2,4369.4 2904.2,4369.4 2874.2,4369.4 ; 2875.4,4368.2 2905.4,4368.2 2875.4,4368.2 ; 2875.4,4400.6 2888.6,4400.6 2875.4,4400.6 ; 2876.6,4367 2907.8,4367 2876.6,4367 ; 2876.6,4401.8 2889.8,4401.8 2876.6,4401.8 ; 2876.6,4525.4 2897,4525.4 2876.6,4525.4 ; 2877.8,4365.8 2909,4365.8 2877.8,4365.8 ; 2877.8,4403 2891,4403 2877.8,4403 ; 2879,4364.6 2910.2,4364.6 2879,4364.6 ; 2879,4404.2 2892.2,4404.2 2879,4404.2 ; 2880.2,4363.4 2911.4,4363.4 2880.2,4363.4 ; 2880.2,4405.4 2893.4,4405.4 2880.2,4405.4 ; 2881.4,4406.6 2894.6,4406.6 2881.4,4406.6 ; 2882.6,4362.2 2912.6,4362.2 2882.6,4362.2 ; 2882.6,4407.8 2895.8,4407.8 2882.6,4407.8 ; 2882.6,4505 2919.8,4505 2882.6,4505 ; 2883.8,4409 2895.8,4409 2883.8,4409 ; 2885,4361 2915,4361 2885,4361 ; 2885,4410.2 2897,4410.2 2885,4410.2 ; 2885,4411.4 2898.2,4411.4 2885,4411.4 ; 2885,4526.6 2887.4,4526.6 2885,4526.6 ; 2886.2,4359.8 2916.2,4359.8 2886.2,4359.8 ; 2886.2,4412.6 2899.4,4412.6 2886.2,4412.6 ; 2887.4,4358.6 2918.6,4358.6 2887.4,4358.6 ; 2887.4,4413.8 2900.6,4413.8 2887.4,4413.8 ; 2887.4,4415 2900.6,4415 2887.4,4415 ; 2887.4,4503.8 2919.8,4503.8 2887.4,4503.8 ; 2888.6,4416.2 2901.8,4416.2 2888.6,4416.2 ; 2889.8,4357.4 2919.8,4357.4 2889.8,4357.4 ; 2889.8,4417.4 2903,4417.4 2889.8,4417.4 ; 2889.8,4418.6 2903,4418.6 2889.8,4418.6 ; 2889.8,4502.6 2921,4502.6 2889.8,4502.6 ; 2891,4419.8 2904.2,4419.8 2891,4419.8 ; 2891,4421 2904.2,4421 2891,4421 ; 2892.2,4356.2 2919.8,4356.2 2892.2,4356.2 ; 2892.2,4422.2 2905.4,4422.2 2892.2,4422.2 ; 2892.2,4501.4 2921,4501.4 2892.2,4501.4 ; 2893.4,4355 2919.8,4355 2893.4,4355 ; 2893.4,4423.4 2905.4,4423.4 2893.4,4423.4 ; 2893.4,4424.6 2906.6,4424.6 2893.4,4424.6 ; 2894.6,4353.8 2918.6,4353.8 2894.6,4353.8 ; 2894.6,4425.8 2906.6,4425.8 2894.6,4425.8 ; 2894.6,4427 2907.8,4427 2894.6,4427 ; 2894.6,4500.2 2921,4500.2 2894.6,4500.2 ; 2895.8,4428.2 2907.8,4428.2 2895.8,4428.2 ; 2895.8,4429.4 2909,4429.4 2895.8,4429.4 ; 2895.8,4499 2921,4499 2895.8,4499 ; 2897,4352.6 2917.4,4352.6 2897,4352.6 ; 2897,4430.6 2910.2,4430.6 2897,4430.6 ; 2897,4431.8 2910.2,4431.8 2897,4431.8 ; 2897,4497.8 2922.2,4497.8 2897,4497.8 ; 2898.2,4433 2911.4,4433 2898.2,4433 ; 2898.2,4434.2 2911.4,4434.2 2898.2,4434.2 ; 2898.2,4496.6 2922.2,4496.6 2898.2,4496.6 ; 2899.4,4435.4 2912.6,4435.4 2899.4,4435.4 ; 2899.4,4436.6 2912.6,4436.6 2899.4,4436.6 ; 2899.4,4494.2 2922.2,4494.2 2899.4,4494.2 ; 2899.4,4495.4 2922.2,4495.4 2899.4,4495.4 ; 2900.6,4437.8 2913.8,4437.8 2900.6,4437.8 ; 2900.6,4439 2915,4439 2900.6,4439 ; 2900.6,4440.2 2915,4440.2 2900.6,4440.2 ; 2900.6,4493 2922.2,4493 2900.6,4493 ; 2901.8,4351.4 2916.2,4351.4 2901.8,4351.4 ; 2901.8,4441.4 2915,4441.4 2901.8,4441.4 ; 2901.8,4442.6 2916.2,4442.6 2901.8,4442.6 ; 2901.8,4490.6 2923.4,4490.6 2901.8,4490.6 ; 2901.8,4491.8 2922.2,4491.8 2901.8,4491.8 ; 2903,4443.8 2916.2,4443.8 2903,4443.8 ; 2903,4445 2916.2,4445 2903,4445 ; 2903,4446.2 2916.2,4446.2 2903,4446.2 ; 2903,4447.4 2916.2,4447.4 2903,4447.4 ; 2903,4487 2923.4,4487 2903,4487 ; 2903,4488.2 2923.4,4488.2 2903,4488.2 ; 2903,4489.4 2923.4,4489.4 2903,4489.4 ; 2904.2,4350.2 2916.2,4350.2 2904.2,4350.2 ; 2904.2,4448.6 2917.4,4448.6 2904.2,4448.6 ; 2904.2,4449.8 2917.4,4449.8 2904.2,4449.8 ; 2904.2,4451 2918.6,4451 2904.2,4451 ; 2904.2,4452.2 2918.6,4452.2 2904.2,4452.2 ; 2904.2,4453.4 2918.6,4453.4 2904.2,4453.4 ; 2904.2,4482.2 2923.4,4482.2 2904.2,4482.2 ; 2904.2,4483.4 2923.4,4483.4 2904.2,4483.4 ; 2904.2,4484.6 2923.4,4484.6 2904.2,4484.6 ; 2904.2,4485.8 2923.4,4485.8 2904.2,4485.8 ; 2905.4,4349 2912.6,4349 2905.4,4349 ; 2905.4,4454.6 2919.8,4454.6 2905.4,4454.6 ; 2905.4,4455.8 2919.8,4455.8 2905.4,4455.8 ; 2905.4,4457 2919.8,4457 2905.4,4457 ; 2905.4,4458.2 2919.8,4458.2 2905.4,4458.2 ; 2905.4,4459.4 2919.8,4459.4 2905.4,4459.4 ; 2905.4,4460.6 2919.8,4460.6 2905.4,4460.6 ; 2905.4,4461.8 2919.8,4461.8 2905.4,4461.8 ; 2905.4,4463 2921,4463 2905.4,4463 ; 2905.4,4464.2 2921,4464.2 2905.4,4464.2 ; 2905.4,4476.2 2922.2,4476.2 2905.4,4476.2 ; 2905.4,4477.4 2922.2,4477.4 2905.4,4477.4 ; 2905.4,4478.6 2923.4,4478.6 2905.4,4478.6 ; 2905.4,4479.8 2923.4,4479.8 2905.4,4479.8 ; 2905.4,4481 2923.4,4481 2905.4,4481 ; 2906.6,4465.4 2921,4465.4 2906.6,4465.4 ; 2906.6,4466.6 2921,4466.6 2906.6,4466.6 ; 2906.6,4467.8 2921,4467.8 2906.6,4467.8 ; 2906.6,4469 2921,4469 2906.6,4469 ; 2906.6,4470.2 2921,4470.2 2906.6,4470.2 ; 2906.6,4471.4 2921,4471.4 2906.6,4471.4 ; 2906.6,4472.6 2922.2,4472.6 2906.6,4472.6 ; 2906.6,4473.8 2922.2,4473.8 2906.6,4473.8 ; 2906.6,4475 2922.2,4475 2906.6,4475

## Polygon pours and split planes (outlines as drawn)
GND_A on Top Layer "Top Layer-No Net" (solid, remove dead copper, pour order 0): 1490,5371 1490,757 1786,461 2000,675 7037,675 7037,4810 6476,5371
GND_A on Top Layer "Top Layer-No Net" (solid, pour order 8): 2676,4557 2676,4323 2682,4317 2695,4330 2992,4330 2992,4531 2985,4538
GND_A on Top Layer "Top Layer-No Net" (solid, pour order 10): 2525,3806 2517.74,3798.74 2517.74,3242.66 3091.66,3242.66 3263,3414 3263,3679 3149,3793
GND_A on Bottom Layer "Top Layer-No Net" (solid, remove dead copper, pour order 2): 1994,4898 2039,4853 2039,1288 6046,1288 5901,1433 5901,4891
GND_A on Bottom Layer "Top Layer-No Net" (solid, pour order 4): 2663,4538 2663,4343 2683,4323 3011,4323 3011,4493 2966,4538
GND_A on Bottom Layer "Top Layer-No Net" (solid, pour order 6): 2537,3705 2531,3699 2531,3257 3080,3257 3099,3238 3168,3307 3168,3711

## Keep-outs
Keep-Out Layer:
  lines w10: 2438.98,4410.39 2438.98,2170 ccw(c2713.03,2170) 2713.03,1895.97 ; 2440.07,4411.63 cw(c2601.7,4410.39) 2601.95,4572.02 ; 2601.7,4572.02 4801.5,4572.02 ; 2713.03,1894 4678.46,1894 ; 4681.5,1894.5 ccw(c4681.5,2167.55) 4954.55,2167.55 ; 4782,4571 cw(c4782,4401) 4952,4401 ; 4954,2169 4954,4410

## Silkscreen, mask and mechanical layers (free items; w line width, h text height)
Top Overlay:
  text "+" at 4694,3830 h60
  text "VCC" at 4800,3668 h70
  text "-" at 4697,3646 h60
  text "32RCT6" at 3370,3127 h85
  text "+" at 4437,2995 h60
  text "AMS1117" at 4322,2513 h60
Bottom Overlay:
  text "辽科大电协" at 3072,3685 h120
  text "机器人控制板" at 3785,2647 h200 r270
Top Solder:
  drawing of 8922 lines, arcs and shapes, not listed
Bottom Solder:
  drawing of 2409 lines, arcs and shapes, not listed

## Text inside footprints (layer, text, board x,y; h text height)
H1: Top Overlay "R10" at 3202,2582 h27.56 r270; Top Overlay "R11" at 3099,2572 h27.56 r270; Top Overlay "R12" at 3003,2579 h27.56 r270; Top Overlay "OUT" at 2963,2423 h27.56 r90; Top Overlay "GND" at 2961,2222 h27.56 r90; Top Overlay "VCC" at 2962,2327 h27.56 r90
H2: Top Overlay "VCC" at 3270,4125 h27.56 r270; Top Overlay "GND" at 3271,4230 h27.56 r270; Top Overlay "OUT" at 3269,4029 h27.56 r270; Top Overlay "L10" at 3207,3923 h27.56 r270; Top Overlay "L11" at 3102.79,3923.07 h27.56 r270; Top Overlay "L12" at 2997,3926 h27.56 r270
H3: Top Overlay "VCC" at 3310,2328 h27.56 r90; Top Overlay "GND" at 3309,2223 h27.56 r90; Top Overlay "OUT" at 3311,2424 h27.56 r90; Top Overlay "R9" at 3347,2568 h27.56 r270; Top Overlay "R8" at 3446,2568 h27.56 r270; Top Overlay "R7" at 3547,2567 h27.56 r270
H4: Top Overlay "VCC" at 3610,4125 h27.56 r270; Top Overlay "GND" at 3611,4230 h27.56 r270; Top Overlay "OUT" at 3609,4029 h27.56 r270; Top Overlay "L7" at 3553,3923 h27.56 r270; Top Overlay "L8" at 3446,3920 h27.56 r270; Top Overlay "L9" at 3342,3920 h27.56 r270
H5: Top Overlay "VCC" at 3651,2327 h27.56 r90; Top Overlay "GND" at 3650,2222 h27.56 r90; Top Overlay "OUT" at 3652,2423 h27.56 r90; Top Overlay "R6" at 3686,2569 h27.56 r270; Top Overlay "R5" at 3789,2566 h27.56 r270; Top Overlay "R4" at 3886,2566 h27.56 r270
H6: Top Overlay "VCC" at 3950,4125 h27.56 r270; Top Overlay "GND" at 3951,4230 h27.56 r270; Top Overlay "OUT" at 3949,4029 h27.56 r270; Top Overlay "L4" at 3892,3926 h27.56 r270; Top Overlay "L5" at 3785,3929 h27.56 r270; Top Overlay "L6" at 3681,3929 h27.56 r270
H7: Top Overlay "VCC" at 3989,2327 h27.56 r90; Top Overlay "GND" at 3988,2222 h27.56 r90; Top Overlay "OUT" at 3990,2423 h27.56 r90; Top Overlay "R3" at 4024,2561 h27.56 r270; Top Overlay "R2" at 4126,2562 h27.56 r270; Top Overlay "R1" at 4228,2559 h27.56 r270
H8: Top Overlay "VCC" at 4290,4125 h27.56 r270; Top Overlay "GND" at 4291,4230 h27.56 r270; Top Overlay "OUT" at 4289,4029 h27.56 r270; Top Overlay "L1" at 4231,3926 h27.56 r270; Top Overlay "L2" at 4124,3926 h27.56 r270; Top Overlay "L3" at 4020,3929 h27.56 r270
IIC: Top Overlay "VCC" at 4259.06,3682.26 h20 r270; Top Overlay "GND" at 4259.06,3790.53 h20 r270; Top Overlay "SCL" at 4259.06,3593.68 h20 r270; Top Overlay "SDA" at 4259.06,3495.25 h20 r270
P4: Top Overlay "+" at 4662.94,4088.16 h40 r90; Top Overlay "-" at 4662.94,4186.58 h40 r90
P5: Top Overlay "+" at 4657.94,4333.16 h40 r90; Top Overlay "-" at 4657.94,4431.58 h40 r90
SPI: Top Overlay "MISO" at 4119.06,3041.1 h20 r270; Top Overlay "CLK" at 4119.06,2942.68 h20 r270; Top Overlay "NSS" at 4119.06,2834.41 h20 r270; Top Overlay "MOSI" at 4119.06,3139.53 h20 r270
SWD: Top Overlay "DIO" at 4265.06,3172.1 h20 r270; Top Overlay "CLK" at 4265.06,3073.68 h20 r270; Top Overlay "GND" at 4265.06,2965.41 h20 r270; Top Overlay "VCC" at 4265.06,3270.53 h20 r270
UART1: Top Overlay "TXD" at 2524.94,4169.75 h20 r90; Top Overlay "RXD" at 2524.94,4071.32 h20 r90; Top Overlay "GND" at 2524.94,3972.9 h20 r90; Top Overlay "VCC" at 2524.94,3874.47 h20 r90
UART2: Top Overlay "TXD" at 2811.94,4171.75 h20 r90; Top Overlay "RXD" at 2811.94,4073.32 h20 r90; Top Overlay "GND" at 2811.94,3974.9 h20 r90; Top Overlay "VCC" at 2811.94,3876.47 h20 r90